# Altium PCB Urukul.PcbDoc (part 11 of 12) (continued)
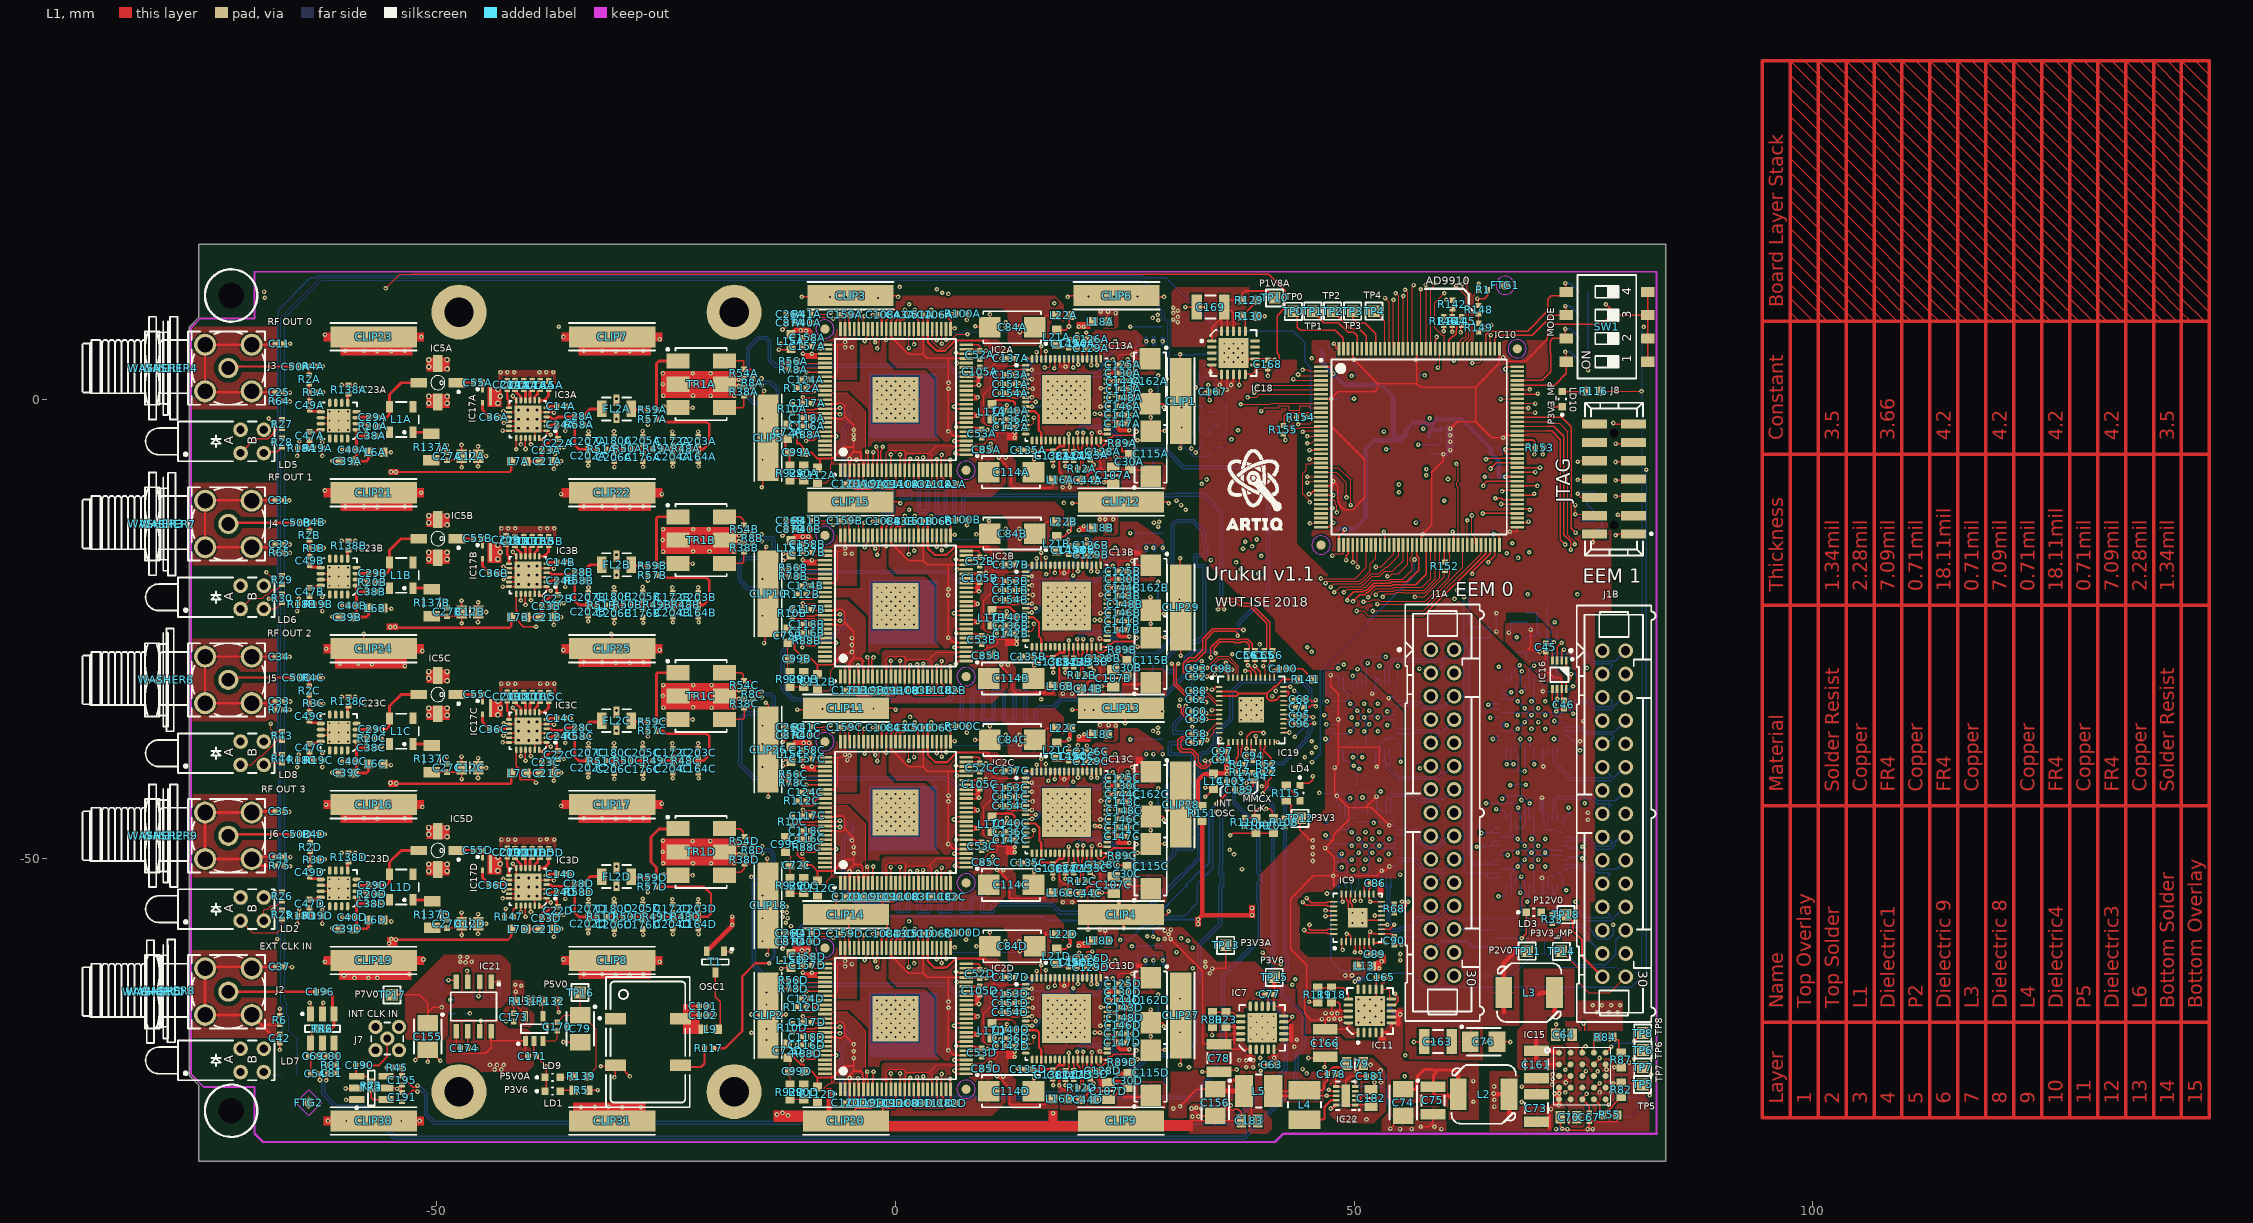
[diagram p0: L1 view]
## Polygon pours and split planes (outlines as drawn) (continued)
GND on L1 "Top-No Net" (solid, remove dead copper, pour order 204): 27 vertices, not listed, extent -6.75,-50.303 5,-38.303
P1V8A on L1 "Top-No Net" (solid, remove dead copper, pour order 200): 28 vertices, not listed, extent 11.144,-54.803 17.75,-51.149
no net on L1 "Top-No Net" (solid, remove dead copper, pour order 198): -7,0.697 -7,-7 -3.25,-7 -3.25,-4.803 -3.25,-1.303 -4.25,-0.303 -5.25,0.697 -7,0.697
P3V3_DAC_VDDA on L1 "Top-No Net" (solid, remove dead copper, pour order 194): -12.15,6.447 -8.25,6.447 -8.25,2.197 -4.25,2.197 -4.25,7.697 -11.25,7.697 -12.2,7.697 -12.242,7.655 -12.25,7.647 -12.25,6.697 -12.25,6.547 -12.15,6.447
P3V3_DAC_VDDA on L1 "Top-No Net" (solid, remove dead copper, pour order 192): 21.29,7.1 21.25,7.06 21.25,3.197 21.25,2.737 21.529,2.458 21.539,2.447 23.89,2.447 24.74,2.447 24.79,2.497 24.99,2.697 29.25,2.697 29.25,4.595 26.277,7.569 24.5,7.569 21.759,7.569
P1V8_DVDDA on L1 "Top-No Net" (solid, remove dead copper, pour order 188): 22 vertices, not listed, extent -0.75,-4.61 9.5,8.447
GND on L1 "Top-No Net" (solid, remove dead copper, pour order 186): 27 vertices, not listed, extent -6.75,-5.303 5,6.697
P1V8A on L1 "Top-No Net" (solid, remove dead copper, pour order 182): 28 vertices, not listed, extent 11.144,-9.803 17.75,-6.149
P1V8A on L1 "Top-No Net" (solid, remove dead copper, pour order 176): 28 vertices, not listed, extent 11.144,-32.303 17.75,-28.649
GND on L1 "Top-No Net" (solid, remove dead copper, pour order 168): 27 vertices, not listed, extent -6.75,-27.803 5,-15.803
P1V8_DVDDB on L1 "Top-No Net" (solid, remove dead copper, pour order 166): 22 vertices, not listed, extent -0.75,-27.11 9.5,-14.053
P3V3_DRVB on L1 "Top-No Net" (solid, remove dead copper, pour order 164): 24 vertices, not listed, extent -1.5,-33.107 12.25,-15.803
P3V3_DAC_VDDB on L1 "Top-No Net" (solid, remove dead copper, pour order 160): 19 vertices, not listed, extent 21.25,-20.053 29.25,-13.303
P3V3_DAC_VDDB on L1 "Top-No Net" (solid, remove dead copper, pour order 158): -12.15,-16.053 -8.25,-16.053 -8.25,-20.303 -4.25,-20.303 -4.25,-14.803 -11.25,-14.803 -12.2,-14.803 -12.242,-14.845 -12.25,-14.853 -12.25,-15.803 -12.25,-15.953 -12.15,-16.053
P1V8_CLK_VDDD on L1 "Top-No Net" (solid, remove dead copper, pour order 150): -7,-66.803 -7,-74.5 -3.25,-74.5 -3.25,-72.303 -3.25,-68.803 -4.25,-67.803 -5.25,-66.803 -7,-66.803
P1V8_CLK_VDDC on L1 "Top-No Net" (solid, remove dead copper, pour order 148): -7,-44.303 -7,-52 -3.25,-52 -3.25,-49.803 -3.25,-46.303 -4.25,-45.303 -5.25,-44.303 -7,-44.303
P1V8_CLK_VDDB on L1 "Top-No Net" (solid, remove dead copper, pour order 146): -7,-21.803 -7,-29.5 -3.25,-29.5 -3.25,-27.303 -3.25,-23.803 -4.25,-22.803 -5.25,-21.803 -7,-21.803
P1V8_CLK_VDDA on L1 "Top-No Net" (solid, remove dead copper, pour order 144): -7,0.697 -7,-7 -3.25,-7 -3.25,-4.803 -3.25,-1.303 -4.25,-0.303 -5.25,0.697 -7,0.697
P3V3A on L1 "P3V3A_L01_P136" (solid, remove dead copper, pour order 136): 22.029,-35.042 24.168,-35.042 24.279,-35.153 24.279,-36.292 24.279,-37.042 24.029,-37.292 23.529,-37.292 22.58,-37.292 22.529,-37.241 22.529,-35.991 22.279,-35.991 22.029,-35.741 22.029,-35.053
P3V3A on L1 "P3V3A_L01_P134" (solid, remove dead copper, pour order 134): 22.029,-12.542 24.168,-12.542 24.279,-12.653 24.279,-13.792 24.279,-14.542 24.029,-14.792 23.529,-14.792 22.58,-14.792 22.529,-14.741 22.529,-13.491 22.279,-13.491 22.029,-13.241 22.029,-12.553
P3V3A on L1 "P3V3A_L01_P132" (solid, remove dead copper, pour order 132): 22.029,9.958 24.168,9.958 24.279,9.847 24.279,8.708 24.279,7.958 24.029,7.708 23.529,7.708 22.58,7.708 22.529,7.759 22.529,9.009 22.279,9.009 22.029,9.259 22.029,9.947
P3V3A on L1 "P3V3A_L01_P130" (solid, remove dead copper, pour order 130): 22.029,-57.542 24.168,-57.542 24.279,-57.653 24.279,-58.792 24.279,-59.542 24.029,-59.792 23.529,-59.792 22.58,-59.792 22.529,-59.741 22.529,-58.491 22.279,-58.491 22.029,-58.241 22.029,-57.553
GND on L1 "GND_L01_P126" (solid, remove dead copper, pour order 126): -43.221,-49.217 -36.971,-49.217 -36.971,-47.717 -43.221,-47.717 -43.221,-49.217
GND on L1 "GND_L01_P124" (solid, remove dead copper, pour order 124): -43.221,-32.218 -36.971,-32.218 -36.971,-30.718 -43.221,-30.718 -43.221,-32.218
GND on L1 "GND_L01_P122" (solid, remove dead copper, pour order 122): -43.321,1.733 -37.071,1.733 -37.071,3.233 -43.321,3.233 -43.321,1.733
GND on L1 "GND_L01_P118" (solid, remove dead copper, pour order 118): -43.221,-15.292 -36.971,-15.292 -36.971,-13.792 -43.221,-13.792 -43.221,-15.292
P5V0A on L1 "P5V0A_L01_P078" (solid, remove dead copper, pour order 78): 23 vertices, not listed, extent -42.721,-68.542 -39.4,-63.292
P7V5A on L1 "P7V5A_L01_P072" (solid, remove dead copper, pour order 72): 19 vertices, not listed, extent -48.971,-73.292 -39.471,-67.542
P7V0A on L1 "P7V0A_L01_P068" (solid, remove dead copper, pour order 68): 23 vertices, not listed, extent -53.471,-69.792 -41.971,-60.542
P3V3_CLK2 on L1 "P3V3_CLK2_L01_P066" (solid, remove dead copper, pour order 66): 66.487,-24.394 70.554,-24.394 71.05,-24.89 71.387,-25.227 71.387,-27.394 71.387,-28.69 72.39,-29.694 72.887,-30.19 72.887,-30.8 70.893,-30.8 70.787,-30.694 66.487,-26.394 66.487,-24.294
P1V8A on L1 "P1V8A_L01_P056" (solid, remove dead copper, pour order 56): 34.1,12.281 38.6,12.281 38.6,9.947 38.35,9.697 38.25,9.597 37.6,9.597 37.6,6.597 36.75,5.747 34.5,5.747 30.2,5.747 30.1,5.847 30.1,7.7 30.1,11.781 30.6,12.281 34.1,12.281
NetC161_2 on L1 "NETC161_2_L01_P098" (solid, remove dead copper, pour order 98): 22 vertices, not listed, extent 67.779,-73.042 74.029,-62.042
P12V0 on L1 "P12V0_L01_P100" (solid, remove dead copper, pour order 100): 40 vertices, not listed, extent 73.029,-79.486 79.279,-65.542
GND on L1 "GND_L01_P102" (solid, remove dead copper, pour order 102): 68.29,-73.292 74.029,-73.292 74.029,-74.792 73.779,-74.792 71.751,-74.792 71.623,-74.9 71.633,-74.91 71.529,-75.014 71.529,-76.542 71.529,-76.653 71.379,-76.803 68.401,-76.803 68.29,-76.692
NetC73_2 on L1 "NETC73_2_L01_P106" (solid, remove dead copper, pour order 106): 21 vertices, not listed, extent 64.775,-80.396 73.029,-73.228
GND on L1 "GND_L01_P108" (solid, remove dead copper, pour order 108): 82.175,-73.938 82.175,-80.03 71.765,-80.03 71.765,-77.306 77.029,-72.042 77.279,-71.792 78.779,-71.792 80.029,-71.792
GND on L1 "GND_L01_P112" (solid, remove dead copper, pour order 112): 53.85,-77.042 59.395,-77.042 60.029,-77.676 60.056,-77.703 60.056,-78.792 60.056,-80.015 60.029,-80.042 53.029,-80.042 53.029,-78.476 53.27,-78.234 53.85,-77.654 53.85,-77.042
P2V0 on L1 "P2V0_L01_P054" (solid, remove dead copper, pour order 54): 18 vertices, not listed, extent 33.1,-72.103 68.029,4.347
P3V6 on L1 "P3V6_L01_P058" (solid, remove dead copper, pour order 58): 37 vertices, not listed, extent 40.6,-78.532 63.6,-63.792
P3V3 on L1 "P3V3_L01_P062" (solid, remove dead copper, pour order 62): 37 vertices, not listed, extent 39.75,-69.653 55.407,-29.575
P3V3 on L1 "P3V3_L01_P096" (solid, remove dead copper, pour order 96): 44.85,-60.792 50.703,-60.792 50.703,-60.813 51.14,-61.25 51.279,-61.389 51.279,-61.832 51.279,-62.792 51.029,-63.042 50.779,-63.292 49.779,-63.292 44.85,-63.292
P1V8D on L6 "Top-No Net" (solid, remove dead copper, pour order 282): 45.412,6.533 68.78,6.533 68.78,-17.038 69.009,-17.267 68.577,-16.835 45.387,-16.835
P3V3 on L6 "Top-No Net" (solid, remove dead copper, pour order 314): 43.25,-48.303 43.25,-61.303 46.25,-64.303 46.25,-69.303 49.75,-69.303 49.75,-64.053 49,-63.303 47.35,-61.653 47.35,-60.712 47.35,-50.153 46.5,-49.303 46.5,-47.553 45.75,-46.803 44.75,-46.803
P3V3_CLK1 on L6 "P3V3_CLK1_L06_P064" (solid, remove dead copper, pour order 64): 48.1,-54.153 51.862,-54.153 52.85,-55.141 53.35,-55.641 53.35,-58.25 53.35,-61.903 53.1,-62.153 52.85,-62.403 51.35,-62.403 48.6,-62.403 47.6,-61.403 47.35,-61.153 47.35,-56.903 47.35,-54.903 48.1,-54.153
P7V5A on L6 "P7V5A_L06_P074" (solid, remove dead copper, pour order 74): 23 vertices, not listed, extent -44.971,-78.582 31.779,-70.542
P1V8_CLK_VDDD on L6 "Top-No Net" (solid, remove dead copper, pour order 270): 35 vertices, not listed, extent -5,-75.553 23,-70.053
P3V3_DAC_VDDD on L6 "Top-No Net" (solid, remove dead copper, pour order 268): 21 vertices, not listed, extent -10.45,-62.803 23.5,-58.303
P1V8_DRVD on L6 "Top-No Net" (solid, remove dead copper, pour order 266): 19 vertices, not listed, extent 23.25,-71.303 27.75,-66.553
P1V8_CLK_VDDC on L6 "Top-No Net" (solid, remove dead copper, pour order 264): 38 vertices, not listed, extent -5,-55.003 23,-48.053
P3V3_DAC_VDDC on L6 "Top-No Net" (solid, remove dead copper, pour order 262): 21 vertices, not listed, extent -10.475,-40.303 23.5,-35.803
P1V8_DRVC on L6 "Top-No Net" (solid, remove dead copper, pour order 260): 19 vertices, not listed, extent 23.25,-48.803 27.75,-44.053
P1V8_CLK_VDDA on L6 "Top-No Net" (solid, remove dead copper, pour order 258): 42 vertices, not listed, extent -5,-9.753 23,-3.053
P3V3_DAC_VDDA on L6 "Top-No Net" (solid, remove dead copper, pour order 256): 21 vertices, not listed, extent -11,4.697 23.5,9.197
P1V8_DRVA on L6 "Top-No Net" (solid, remove dead copper, pour order 254): 19 vertices, not listed, extent 23.25,-3.803 27.75,0.947
P1V8_DRVB on L6 "Top-No Net" (solid, remove dead copper, pour order 180): 19 vertices, not listed, extent 23.25,-26.303 27.75,-21.553
P3V3_DAC_VDDB on L6 "Top-No Net" (solid, remove dead copper, pour order 162): 21 vertices, not listed, extent -10.7,-17.803 23.5,-13.303
P1V8_CLK_VDDB on L6 "Top-No Net" (solid, remove dead copper, pour order 156): 42 vertices, not listed, extent -5,-32.253 23,-25.553
P1V8A on L6 "Top Layer-No Net" (solid, remove dead copper, pour order 318): 26.899,-58.572 26.899,-57.506 28.321,-56.083 33.325,-56.083 33.528,-56.286 33.528,-57.291 33.212,-57.607 29.185,-57.607 29.032,-57.76 29.032,-59.011 28.861,-59.182 27.203,-59.182 26.899,-58.877
P1V8A on P2 (split plane): 31.371,9.894 31.371,9.697 31.371,8.501 29.658,6.789 29.63,6.747 29.621,6.697 29.621,-59.749 29.446,-59.923 24.054,-59.923 23.879,-59.749 23.879,9.394 25.054,10.568 30.696,10.568
GND on P2 (split plane): 17 vertices, not listed, extent -76.49,-82.542 83.484,16.437
GND on P5 (split plane): 17 vertices, not listed, extent -76.49,-82.542 83.484,16.437

## Keep-outs
Keep-Out Layer:
  lines w0.203: -69.904,-80.03 -69.904,-74.95 -75.416,-74.95 -76.813,-73.553 -76.813,7.847 -75.79,8.87 -69.904,8.87 -69.904,13.95 83,13.95 83,-80.03
  lines w0.254: -69.904,-80.03 -68.984,-80.95 41.377,-80.95 42.296,-80.03 83,-80.03

## Other copper
L1:
  rectangle net GND: 52.54,-54.066 53.201,-52.847
  rectangle net GND: 8.647,-26.024 9.182,-25.503
  rectangle net GND: 8.547,-24.428 8.8,-24
  rectangle net GND: 8.547,-22.5 8.822,-22
  rectangle net GND: 16.701,-79.136 17.641,-77.536
  rectangle net NetC101_2: -23.15,-69.153 -21.4,-65.903
  rectangle net GND: 24.711,-57.653 25.041,-57.145
  rectangle net GND: -13.287,-78.76 -9.8,-77.503
  rectangle net GND: -1,-79.803 20.2,-78.653
  rectangle net GND: 29.004,-79.765 32.458,-78.703
  rectangle net GND: -7.5,-78.053 -7,-75.053
  rectangle net GND: -1.5,-77.811 -1.266,-77.235
  rectangle net P3V6: 60.29,-76.253 60.881,-75.661
  rectangle net P3V6: 61.109,-74.239 61.617,-73.782
  rectangle net P3V6: 54.505,-68.371 55.089,-66.593
  rectangle net P3V6: 52.676,-70.022 53.489,-69.464
  rectangle net P1V8_DVDDC: 13.078,-43.454 13.484,-42.997
  rectangle net P3V3_DRVD: 12.075,-71.903 12.994,-70.978
  rectangle net P3V3_DRVC: 11.975,-49.653 12.994,-48.599
  rectangle net P3V3_DRVB: 11.925,-26.853 13.459,-26.053
  rectangle net P3V3_DRVA: 12.175,-4.428 13.3,-3.603
  rectangle net P5V0A: -55.3,-8.203 -54.225,-7.578
  rectangle net P5V0A: -55.525,-25.128 -54.25,-24.428
  rectangle net P5V0A: -55.275,-42.228 -54.25,-41.478
  rectangle net P5V0A: -55.475,-59.553 -54.3,-58.578
  rectangle net NetC73_2: 71.1,-79.603 71.49,-77.96
  rectangle net P3V3_DAC_VDDB: -11.15,-15.278 -9.175,-14.628
  rectangle net P3V3_DAC_VDDA: -11.025,7.272 -9.425,7.897
  rectangle net P3V3_DAC_VDDC: -11.175,-37.753 -9.15,-37.128
  rectangle net P3V3_DAC_VDDD: -11.25,-60.24 -9.2,-59.553
  rectangle net P3V3_DRVB: 19.975,-14.453 21.247,-13.792
  rectangle net P3V3_DRVC: 21.625,-46.753 22.325,-46.278
  rectangle net P3V3_DRVD: 21.675,-69.203 22.375,-68.803
  rectangle net P3V3_DRVD: 19.75,-59.803 21.25,-59.053
  rectangle net P3V3_DRVC: 19.75,-37.303 21.25,-36.553
  rectangle net P3V3_DRVA: 19.75,7.697 21.25,8.447
  rectangle net NetC91_2: 35.912,-29.205 36.243,-28.747
  rectangle net NetC91_2: 35.049,-40.99 36.141,-40.508
  rectangle net NetC91_2: 35.811,-40.99 36.471,-39.695
  rectangle net P1V8_DVDDB: 8.43,-26.639 9.293,-26.36
  rectangle net P3V3_DRVB: 8.404,-19.146 9.014,-18.867
  rectangle net P1V8_DVDDB: 8.404,-18.13 9.115,-17.876
  rectangle net P1V8_DVDDD: 8.404,-71.648 9.217,-71.369
  rectangle net P3V3_DRVD: 8.379,-64.13 8.963,-63.876
  rectangle net P1V8_DVDDD: 8.379,-63.139 8.988,-62.86
  rectangle net P1V8_DVDDC: 8.379,-49.144 9.293,-48.864
  rectangle net P3V3_DRVC: 8.277,-41.651 9.09,-41.346
  rectangle net P1V8_DVDDC: 8.353,-40.65 8.9,-40.355
  rectangle net P3V3_DAC_VDDD: 23.974,-64.587 24.228,-63.901
  rectangle net P3V3_DAC_VDDD: 23.09,-64.841 24.178,-64.25
  rectangle net P3V3_DAC_VDDC: 23.974,-42.057 24.254,-41.422
  rectangle net P3V3_DAC_VDDC: 23.365,-42.311 24.178,-41.701
  rectangle net P3V3_DAC_VDDB: 23.949,-19.502 24.178,-18.968
  rectangle net P3V3_DAC_VDDB: 23.39,-19.807 24.051,-19.248
  rectangle net P3V3_DAC_VDDA: 23.949,2.901 24.34,3.797
  rectangle net P3V3_DAC_VDDA: 23.416,2.672 24.127,3.349
  rectangle net GND: -25.575,-50.803 -17.325,-47.878
  rectangle net GND: -25.575,0.197 -17.325,3.122
  rectangle net GND: -25.575,-16.803 -17.325,-13.878
  rectangle net GND: -44.471,-51.792 -42.971,-49.542
  rectangle net GND: -44.471,-17.792 -42.971,-15.542
  rectangle net GND: -44.471,-0.792 -42.971,1.458
  rectangle net GND: -51.15,-47.903 -48.65,-46.403
  rectangle net GND: -51.15,-51.903 -48.65,-50.403
  rectangle net GND: -51.15,3.097 -48.65,4.597
  rectangle net GND: -51.15,-0.903 -48.65,0.597
  rectangle net GND: -51.15,-13.903 -48.65,-12.403
  rectangle net GND: -51.15,-17.903 -48.65,-16.403
  rectangle net GND: -51.15,-34.903 -48.65,-33.403
  rectangle net GND: -51.15,-30.903 -48.65,-29.403
  rectangle net GND: -44.1,-34.628 -42.85,-32.628
  rectangle net GND: -25.575,-33.803 -17.325,-30.878
  rectangle net GND: -17.326,2.037 -16.818,2.393
  rectangle net GND: -17.478,1.352 -16.818,1.656
  rectangle net GND: -17.377,-15.006 -16.92,-14.6
  rectangle net GND: -17.377,-15.743 -16.92,-15.26
  rectangle net GND: -17.428,-31.897 -16.793,-31.516
  rectangle net GND: -17.377,-32.837 -16.818,-32.43
  rectangle net GND: -17.351,-48.712 -16.742,-48.305
  rectangle net GND: -17.377,-49.779 -16.691,-49.398
  rectangle net GND: -17.224,-14.955 -16.793,-14.625
  rectangle net GND: -17.097,-15.616 -16.767,-15.387
  rectangle net GND: -4.982,9.073 -4.601,9.403
  rectangle net P3V3_DRVA: 3.731,9.454 4.061,9.784
  rectangle net GND: 6.753,3.866 6.982,4.12
  rectangle net GND: 8.582,0.056 8.938,0.463
  rectangle net GND: 8.582,-1.925 8.836,-1.544
  rectangle net GND: 8.633,-3.5 9.217,-2.992
  rectangle net GND: 6.525,-5.964 6.804,-5.735
  rectangle net GND: -10.138,-18.079 -8.614,-17.495
  rectangle net GND: -10.112,4.45 -8.588,5.06
  rectangle net GND: -10.138,-40.558 -8.665,-39.974
  rectangle net GND: -10.163,-63.063 -8.588,-62.428
  rectangle net P1V8A: 10.843,-70.429 11.046,-70.048
  rectangle net GND: 8.506,-70.988 9.141,-70.53
  rectangle net GND: 8.531,-69.413 8.785,-69.032
  rectangle net GND: 8.582,-67.457 8.811,-67.025
  rectangle net GND: 8.684,-65.984 9.175,-64.587
  rectangle net P1V8_DVDDD: 9.369,-63.19 9.725,-63.037
  rectangle net P3V3_DRVD: 3.705,-58.11 4.086,-57.729
  rectangle net P1V8_DVDDD: 2.867,-58.669 3.121,-58.491
  rectangle net GND: -4.88,-58.389 -4.601,-58.11
  rectangle net GND: 2.283,-74.239 2.486,-73.959
  rectangle net GND: -4.905,-35.91 -4.626,-35.605
  rectangle net P3V3_DRVC: 3.705,-35.529 4.086,-35.25
  rectangle net GND: 6.753,-41.117 6.982,-40.889
  rectangle net GND: 8.709,-43.454 9.192,-42.108
  rectangle net GND: 8.557,-44.953 8.887,-44.521
  rectangle net GND: 8.582,-46.908 8.836,-46.477
  rectangle net GND: 8.607,-48.483 9.242,-48.001
  rectangle net GND: 6.626,-50.947 6.779,-50.541
  rectangle net P3V3_DRVB: 12.9,-26.258 13.179,-25.725
  rectangle net P1V8A: 10.919,-25.344 11.097,-25.115
  rectangle net P1V8_DVDDB: 13.027,-21.94 13.383,-21.585
  rectangle net P1V8_DVDDB: 13.078,-20.899 13.383,-20.543
  rectangle net GND: 6.753,-18.613 6.982,-18.384
  rectangle net P3V3_DRVB: 3.731,-13.076 4.112,-12.695
  rectangle net P1V8_DVDDA: 13.052,1.606 13.383,1.961
  rectangle net P1V8_DVDDA: 13.078,0.539 13.383,0.945
  rectangle net P1V8A: 10.893,-2.865 11.097,-2.636
  rectangle net GND: 23.187,-5.532 23.492,-5.278
  rectangle net P1V8_DRVA: 24,0.234 24.355,0.513
  rectangle net P1V8_DRVA: 23.339,0.59 23.771,0.869
  rectangle net P1V8_DACCLKA: 23.39,1.783 24.152,2.215
  rectangle net DAC_OUTRA_N: 21.282,3.841 21.434,4.146
  rectangle net DAC_OUTRA_P: 21.892,3.841 22.044,4.222
  rectangle net GND: 19.631,6.762 20.012,7.117
  rectangle net P1V8_DRVC: 24,-44.876 24.381,-44.495
  rectangle net P1V8_DACCLKC: 23.339,-43.225 24.101,-42.768
  rectangle net P1V8_DACCLKD: 23.416,-65.781 24.127,-65.273
  rectangle net P1V8_DRVD: 23.695,-67.228 24.101,-66.695
  rectangle net P3V3_DRVC: 22.4,-46.731 22.527,-46.451
  rectangle net GND: 22.374,-48.686 22.527,-48.432
  rectangle net P1V8_DVDDD: 13.027,-65.933 13.408,-65.501
  rectangle net P1V8_DVDDD: 13.027,-66.949 13.408,-66.543
  rectangle net P1V8_DRVD: 24.051,-67.254 24.305,-66.847
  rectangle net DAC_OUTRD_P: 21.942,-63.723 22.044,-63.266
  rectangle net DAC_OUTRD_N: 21.257,-63.723 21.536,-63.266
  rectangle net GND: 19.783,-60.675 20.088,-60.345
  rectangle net P1V8A: 18.844,-59.405 19.123,-58.542
  rectangle net GND: 6.753,-41.117 6.982,-40.863
  rectangle net DAC_OUTRC_P: 21.765,-41.27 22.044,-40.762
  rectangle net DAC_OUTRC_N: 21.257,-41.193 21.536,-40.762
  rectangle net P1V8A: 18.818,-36.926 19.199,-35.91
  rectangle net P3V3_DRVC: 20.622,-36.698 21.18,-36.317
  rectangle net GND: 22.323,-26.207 22.552,-26.004
  rectangle net GND: 8.836,1.529 9.192,2.622
  rectangle net GND: 8.734,-20.975 9.192,-19.629
  rectangle net P3V3A: 38.275,-71.648 38.935,-71.419
  rectangle net P3V6: 40.992,-71.648 41.704,-71.419
  rectangle net P3V3A: 36.852,-70.251 37.081,-68.092
  rectangle net P3V6: 42.897,-70.124 43.38,-68.067
  rectangle net GND: 41.348,-37.434 41.627,-37.206
  rectangle net NetC60_2: 33.372,-34.183 33.855,-33.954
  rectangle net NetC62_2: 33.499,-32.989 33.804,-32.786
  rectangle net NetC91_2: 35.76,-29.865 36.268,-29.586
  rectangle net NetC91_2: 41.272,-29.662 41.627,-29.306
  rectangle net P7V5A: 35.709,-75.661 37.208,-75.128
  rectangle net P7V5A: 36.781,-74.391 37.2,-74.019
  rectangle net NetC73_2: 72.158,-77.033 72.539,-75.204
  rectangle net NetC73_2: 71.803,-77.058 72.696,-76.636
  rectangle net NetC161_2: 71.625,-72.792 71.981,-71.927
  rectangle net DAC_OUTRB_P: 21.89,-18.745 22.019,-18.262
  rectangle net DAC_OUTRB_N: 21.234,-18.751 21.514,-18.31
  rectangle net P3V3_DAC_VDDB: 22.218,-17.493 22.359,-17.419
  rectangle net GND: 35.811,-77.303 36.6,-76.753
  rectangle net GND: 27.607,-66.873 28.038,-66.543
  rectangle net GND: 6.702,-63.622 7.058,-63.393
  rectangle net GND: 27.607,-21.991 28.013,-21.534
  rectangle net GND: -4.982,-13.406 -4.55,-13.101
  rectangle net GND: -42.624,-2.535 -42.269,-2.357
  rectangle net GND: 27.607,0.513 28.013,0.971
  rectangle net GND: 33.626,0.666 33.931,1.047
  rectangle net P1V8_DACCLKB: 23.416,-20.721 24.101,-20.264
  rectangle net P1V8_DVDDC: 9.522,-49.144 9.979,-48.839
  rectangle net RFSW_CTRL1: -58.626,-19.807 -58.245,-19.426
  rectangle net RFSW_CTRL1: -58.068,-19.832 -57.509,-19.603
  rectangle net RFSW_CTRL3: -58.118,-53.843 -57.636,-53.614
  rectangle net RFSW_CTRL0: -58.042,-2.865 -57.509,-2.611
  rectangle net P1V8_DRVB: 24.018,-22.303 24.55,-22.05
  rectangle net NetC73_2: 71.777,-75.89 72.35,-75.382
  rectangle net RFSW_CTRL2: -58.118,-36.85 -57.636,-36.596
  rectangle net GND: -34.547,-63.164 -26.648,-61.691
  rectangle net GND: -34.547,-46.164 -26.648,-44.691
  rectangle net GND: -34.547,-29.164 -26.648,-27.691
  rectangle net GND: -34.547,-12.164 -26.648,-10.691
  rectangle net GND: -34.547,4.836 -26.648,6.309
  rectangle net GND: -60.547,4.836 -52.648,6.309
  rectangle net GND: -60.547,-12.164 -52.648,-10.691
  rectangle net GND: -61.147,-29.304 -53.248,-27.831
  rectangle net GND: -60.547,-46.164 -52.648,-44.691
  rectangle net GND: -60.687,-63.304 -52.787,-61.831
  region net GND: -27.253,-76.641 -35.152,-76.641 -35.152,-78.114 -27.253,-78.114
  rectangle net GND: -62.4,-44.653 -61.4,-43.653
  rectangle net GND: -52.4,-44.653 -51.4,-43.653
  rectangle net GND: -52.4,-27.653 -51.4,-26.653
  rectangle net GND: -62.4,-27.653 -61.4,-26.653
  rectangle net GND: -52.4,-10.653 -51.4,-9.653
  rectangle net GND: -62.4,-10.653 -61.4,-9.653
  rectangle net GND: -52.4,6.347 -51.4,7.347
  rectangle net GND: -62.4,6.347 -61.4,7.347
  rectangle net GND: -26.4,6.347 -25.4,7.347
  rectangle net GND: -36.4,6.347 -35.4,7.347
  rectangle net GND: -26.4,-10.653 -25.4,-9.653
  rectangle net GND: -36.4,-10.653 -35.4,-9.653
  rectangle net GND: -26.4,-27.653 -25.4,-26.653
  rectangle net GND: -36.4,-27.653 -35.4,-26.653
  rectangle net GND: -26.4,-44.653 -25.4,-43.653
  rectangle net GND: -36.4,-44.653 -35.4,-43.653
  rectangle net GND: -52.4,-61.653 -51.4,-60.653
  rectangle net GND: -62.4,-61.653 -61.4,-60.653
  rectangle net GND: -26.4,-61.653 -25.4,-60.653
  rectangle net GND: -36.4,-61.653 -35.4,-60.653
  rectangle net GND: -52.4,-79.153 -51.4,-78.153
  rectangle net GND: -62.4,-79.153 -61.4,-78.153
  rectangle net NetC91_2: 35.912,-29.733 36.716,-29.205
  rectangle net P3V3_CLK1: 52.725,-61.5 53.5,-60.478
  rectangle net P3V3_CLK1: 52.25,-62.25 53,-61.25
  rectangle net NetC47C_2: -63.75,-39.302 -63.44,-39
  rectangle net LOOP_FILTERD: 24.25,-73.75 25,-73.25
  rectangle net NetC44A_2: 22.75,-9.05 23.25,-8.75
  rectangle net P3V3_DAC_VDDB: 26,-16.978 26.75,-16.5
  rectangle net NetC44B_2: 22.113,-31.328 22.5,-31
  rectangle net P3V3_DAC_VDDC: 26.25,-39.75 26.998,-38.977
  rectangle net P3V3_DAC_VDDD: 26.25,-62 26.902,-61.477
  rectangle net P1V8_CLK_VDDC: -6.747,-47.147 -6.5,-47
  rectangle net P1V8_CLK_VDDC: -6.747,-45.404 -6.641,-45.353
  rectangle net P1V8_CLK_VDDB: -6.747,-23 -6.362,-22.853
  rectangle net P1V8_CLK_VDDB: -6.747,-24.683 -6.362,-24.5
  rectangle net P1V8_CLK_VDDA: -6.747,-0.5 -6.362,-0.303
  rectangle net P1V8_CLK_VDDA: -6.75,-2.25 -6.5,-2
  rectangle net P1V8_CLK_VDDD: -6.747,-68 -6.5,-67.803
  rectangle net P1V8_CLK_VDDD: -6.75,-69.75 -6.5,-69.5
  rectangle net P1V8_DVDDD: 16.25,-58.5 16.5,-58
  rectangle net NetC44C_2: 21.5,-54 22.5,-53.5
  rectangle net P3V3_CLK2: 72.554,-30.8 72.719,-30.428
  rectangle net P3V3A: 36.75,-69.25 37.25,-69
  rectangle net GND: 24.13,-55.245 24.562,-54.753
  rectangle net P1V8_CLK_VDDA: 21.26,-8.085 21.339,-7.932
  rectangle net P1V8_CLK_VDDC: 24.703,-53.114 26.314,-52.934
  rectangle net P1V8A: 38.557,-56.54 39.218,-55.118
  rectangle net P1V8A: 32.664,-57.455 33.299,-56.388
  text "Board Layer Stack" at 96.797,10.064 h1.52 r90
  text "Constant" at 96.797,-4.411 h1.52 r90
  text "3.5" at 102.893,-4.411 h1.52 r90
  text "3.66" at 108.989,-4.411 h1.52 r90
  text "4.2" at 115.085,-4.411 h1.52 r90
  text "4.2" at 121.181,-4.411 h1.52 r90
  text "4.2" at 127.277,-4.411 h1.52 r90
  text "4.2" at 133.373,-4.411 h1.52 r90
  text "3.5" at 139.469,-4.411 h1.52 r90
  text "Thickness" at 96.797,-20.916 h1.52 r90
  text "1.34mil" at 102.893,-20.916 h1.52 r90
  text "2.28mil" at 105.941,-20.916 h1.52 r90
  text "7.09mil" at 108.989,-20.916 h1.52 r90
  text "0.71mil" at 112.037,-20.916 h1.52 r90
  text "18.11mil" at 115.085,-20.916 h1.52 r90
  text "0.71mil" at 118.133,-20.916 h1.52 r90
  text "7.09mil" at 121.181,-20.916 h1.52 r90
  text "0.71mil" at 124.229,-20.916 h1.52 r90
  text "18.11mil" at 127.277,-20.916 h1.52 r90
  text "0.71mil" at 130.325,-20.916 h1.52 r90
  text "7.09mil" at 133.373,-20.916 h1.52 r90
  text "2.28mil" at 136.421,-20.916 h1.52 r90
  text "1.34mil" at 139.469,-20.916 h1.52 r90
  text "Material" at 96.797,-42.754 h1.52 r90
  text "Solder Resist" at 102.893,-42.754 h1.52 r90
  text "Copper" at 105.941,-42.754 h1.52 r90
  text "FR4" at 108.989,-42.754 h1.52 r90
  text "Copper" at 112.037,-42.754 h1.52 r90
  text "FR4" at 115.085,-42.754 h1.52 r90
  text "Copper" at 118.133,-42.754 h1.52 r90
  text "Copper" at 124.229,-42.754 h1.52 r90
  text "FR4" at 127.277,-42.754 h1.52 r90
  text "Copper" at 130.325,-42.754 h1.52 r90
  text "FR4" at 133.373,-42.754 h1.52 r90
  text "Copper" at 136.421,-42.754 h1.52 r90
  text "Solder Resist" at 139.469,-42.754 h1.52 r90
  text "Name" at 96.797,-66.37 h1.52 r90
  text "Top Overlay" at 99.845,-66.37 h1.52 r90
  text "Top Solder" at 102.893,-66.37 h1.52 r90
  text "L1" at 105.941,-66.37 h1.52 r90
  text "Dielectric1" at 108.989,-66.37 h1.52 r90
  text "P2" at 112.037,-66.37 h1.52 r90
  text "Dielectric 9" at 115.085,-66.37 h1.52 r90
  text "L3" at 118.133,-66.37 h1.52 r90
  text "Dielectric 8" at 121.181,-66.37 h1.52 r90
  text "L4" at 124.229,-66.37 h1.52 r90
  text "Dielectric4" at 127.277,-66.37 h1.52 r90
  text "P5" at 130.325,-66.37 h1.52 r90
  text "Dielectric3" at 133.373,-66.37 h1.52 r90
  text "L6" at 136.421,-66.37 h1.52 r90
  text "Bottom Solder" at 139.469,-66.37 h1.52 r90
  text "Bottom Overlay" at 142.517,-66.37 h1.52 r90
  text "Layer" at 96.797,-76.782 h1.52 r90
  text "1" at 99.845,-76.782 h1.52 r90
  text "2" at 102.893,-76.782 h1.52 r90
  text "3" at 105.941,-76.782 h1.52 r90
  text "4" at 108.989,-76.782 h1.52 r90
  text "5" at 112.037,-76.782 h1.52 r90
  text "6" at 115.085,-76.782 h1.52 r90
  text "7" at 118.133,-76.782 h1.52 r90
  text "8" at 121.181,-76.782 h1.52 r90
  text "9" at 124.229,-76.782 h1.52 r90
  text "10" at 127.277,-76.782 h1.52 r90
  text "11" at 130.325,-76.782 h1.52 r90
  text "12" at 133.373,-76.782 h1.52 r90
  text "13" at 136.421,-76.782 h1.52 r90
  text "14" at 139.469,-76.782 h1.52 r90
  text "15" at 142.517,-76.782 h1.52 r90
L3:
  rectangle net P1V8_DVDDD: 13.25,-60.303 13.75,-58.803
  rectangle net P1V8_DVDDD: 13.25,-67.053 13.75,-65.353
  rectangle net P1V8_DVDDC: 13.25,-44.553 13.75,-42.853
  rectangle net P1V8_DVDDC: 13.25,-37.803 13.75,-36.303
  rectangle net P1V8_DVDDA: 13.25,0.447 13.75,2.147
  rectangle net P1V8_DVDDA: 13.25,7.197 13.75,8.697
  rectangle net P1V8_DVDDB: 13.25,-15.303 13.75,-13.803
  rectangle net P1V8_DVDDB: 13.25,-22.053 13.75,-20.353
  rectangle net GND: 71.853,-79.781 73.479,-79.268
  rectangle net GND: 32.153,-77.541 33.423,-77.033
  rectangle net GND: 35.887,-77.287 36.649,-76.804
  rectangle net NetC91_2: 36.233,-29.682 36.476,-29.149
L4:
  rectangle net NetC91_2: 35.785,-29.993 36.928,-28.646
  rectangle net P1V8_DVDDD: 13.25,-67.053 13.75,-65.553
  rectangle net P1V8_DVDDD: 5.5,-66.553 6.048,-65.398
  rectangle net P1V8_DVDDC: 13.25,-44.553 13.75,-43.053
  rectangle net P1V8_DVDDC: 5.5,-44.053 6.048,-42.898
  rectangle net P1V8_DVDDA: 13.25,0.447 13.75,1.947
  rectangle net P1V8_DVDDA: 5.5,0.947 6.048,2.102
  rectangle net P1V8_DVDDB: 5.5,-21.553 6.048,-20.398
  rectangle net P1V8_DVDDB: 13.25,-22.053 13.75,-20.553
  rectangle net NetC73_2: 71.803,-75.915 72.488,-75.407
  rectangle net P1V8A: 38.583,-56.515 39.243,-55.143
  rectangle net P1V8A: 50.089,-63.678 50.749,-63.068